# Altium PCB pcbBoard.PcbDoc
Units mm, origin at the board's own origin, x right, y up, seen from the top; angles counter-clockwise.
Board outline 125.06 x 150 mm, 2 copper layers (Top Layer, Bottom Layer); 56 components, 47 nets, 184 pads, 0 vias.
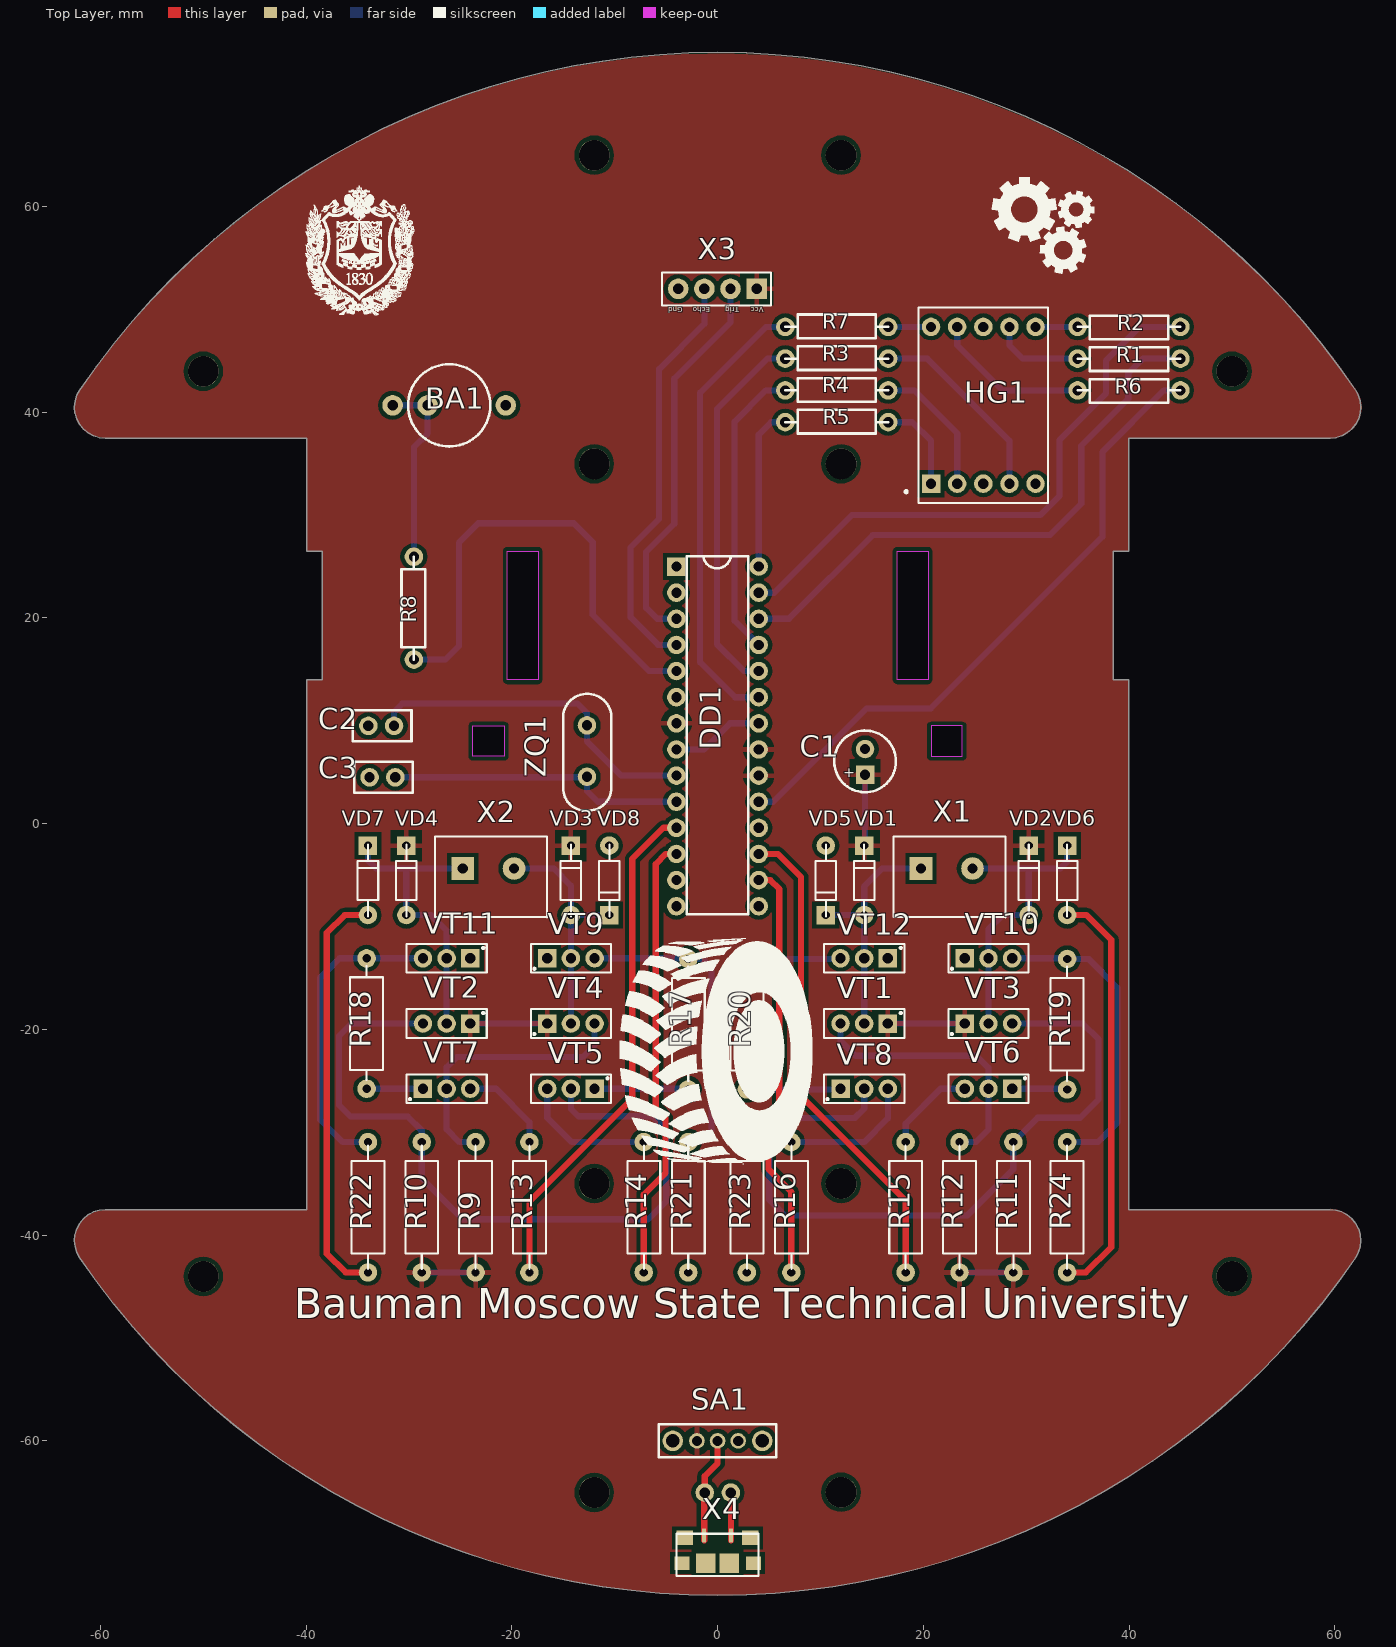
[diagram p0: Top Layer view]
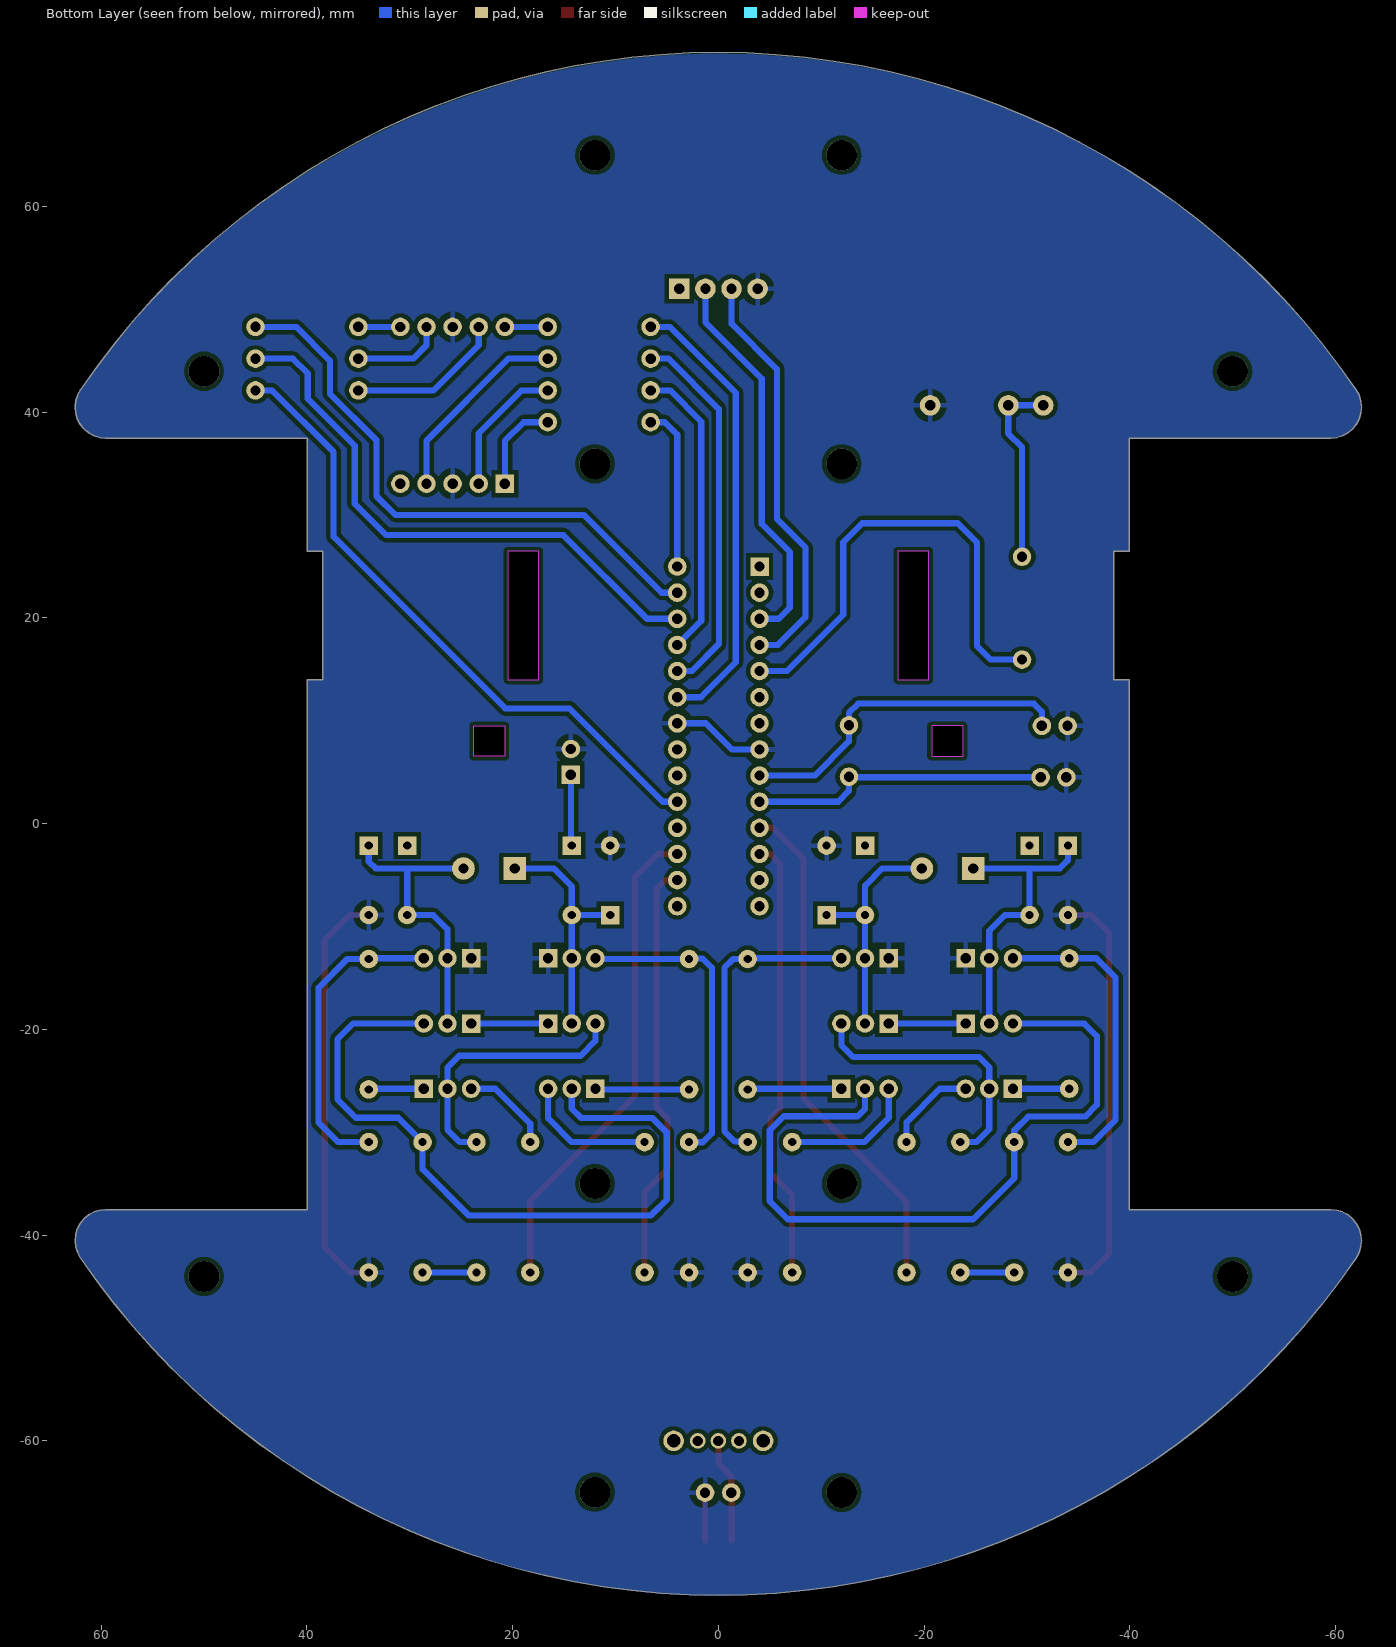
[diagram p1: Bottom Layer view, seen from below]
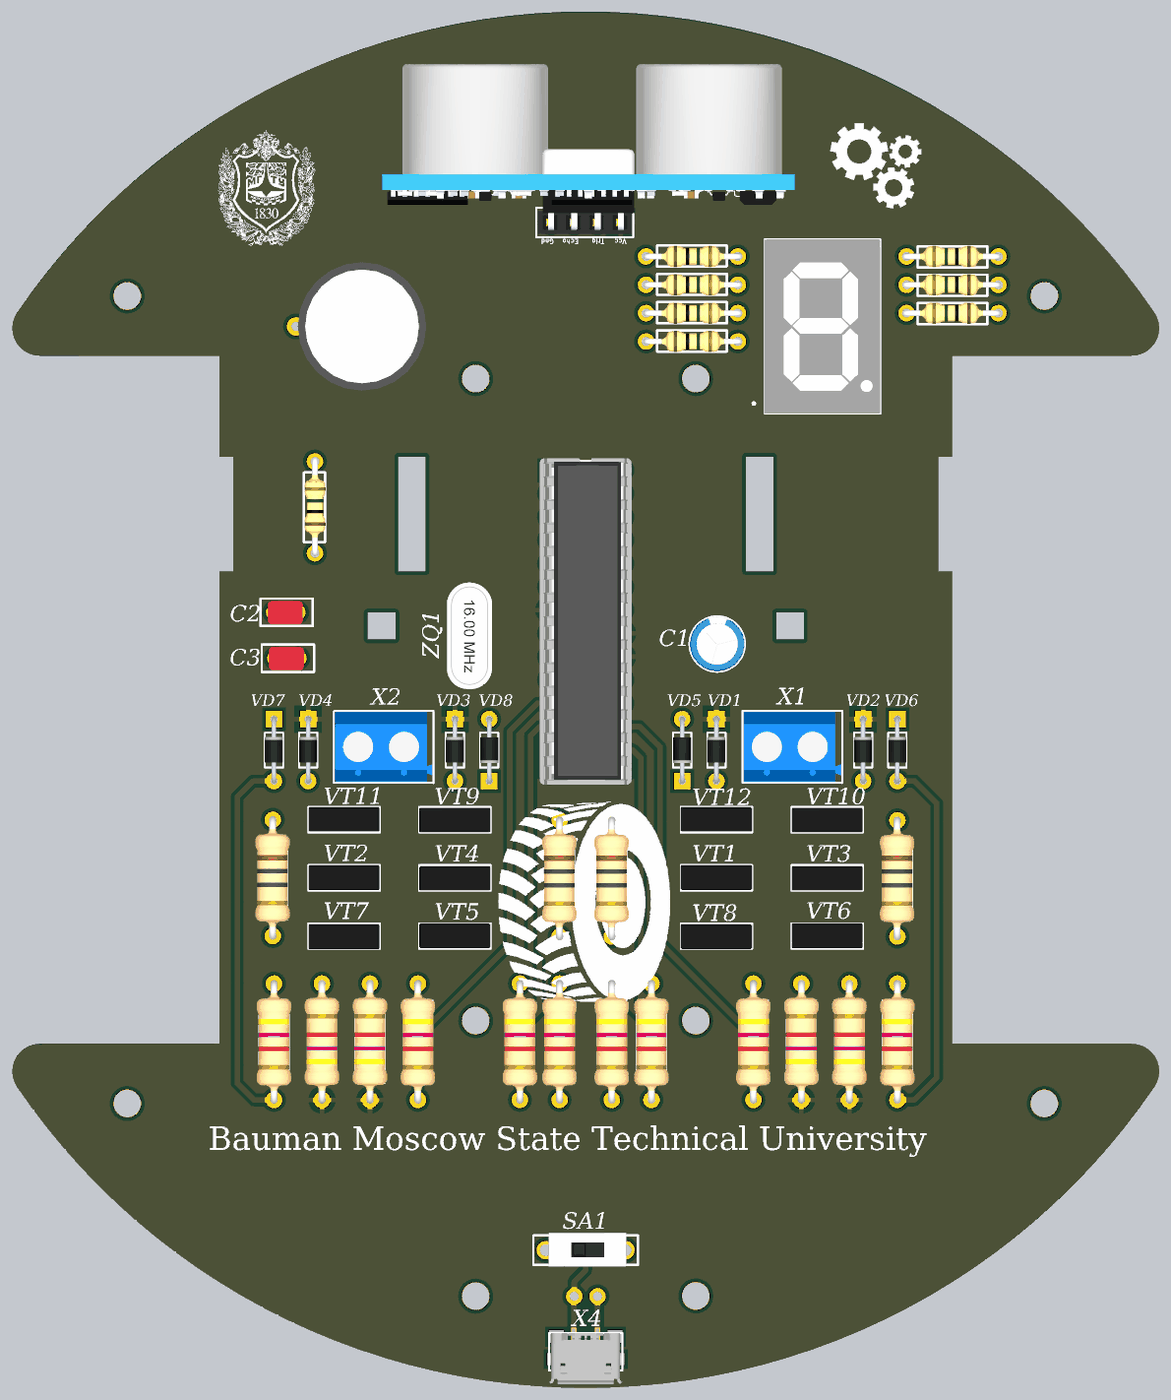
[diagram p2: 3D render of the assembled board from above, using the file's embedded part models]

## Layer stack, top to bottom
Top Solder: solder mask 0.0102, Solder Resist, Dk 3.5
Top Layer: signal copper 0.0356
Dielectric 1: dielectric 0.32, FR-4, Dk 4.8
Bottom Layer: signal copper 0.0356
Bottom Solder: solder mask 0.0102, Solder Resist, Dk 3.5

## Board outline
39.959,13.987 38.459,13.987 38.459,26.487 39.959,26.487 39.959,37.487 59.537,37.487 60.124,37.545 60.689,37.717 61.209,37.996 61.665,38.372 62.038,38.83 62.314,39.352 62.482,39.917 62.537,40.505 62.475,41.092 62.3,41.656 62.017,42.175 60.395,44.466 58.688,46.695 56.898,48.859 55.029,50.954 53.083,52.978 51.062,54.927 48.97,56.799 46.809,58.592 44.583,60.303 42.294,61.929 39.946,63.469 37.542,64.919 35.085,66.278 32.58,67.545 30.028,68.717 27.435,69.792 24.803,70.77 22.136,71.648 19.438,72.426 16.713,73.103 13.965,73.677 11.197,74.148 8.413,74.514 5.618,74.777 2.815,74.934 0.007,74.987 -2.8,74.934 -5.603,74.777 -8.398,74.514 -11.182,74.148 -13.95,73.677 -16.698,73.103 -19.423,72.426 -22.121,71.648 -24.788,70.77 -27.42,69.792 -30.013,68.717 -32.565,67.545 -35.071,66.278 -37.527,64.919 -39.931,63.469 -42.279,61.929 -44.568,60.303 -46.795,58.592 -48.955,56.799 -51.047,54.927 -53.068,52.978 -55.014,50.954 -56.883,48.859 -58.673,46.695 -60.38,44.466 -62.002,42.175 -62.285,41.656 -62.46,41.092 -62.522,40.505 -62.467,39.917 -62.299,39.352 -62.023,38.83 -61.65,38.372 -61.194,37.996 -60.674,37.717 -60.109,37.545 -59.522,37.487 -39.944,37.487 -39.944,26.487 -38.444,26.487 -38.444,13.987 -39.944,13.987 -39.944,-37.513 -59.522,-37.513 -60.109,-37.571 -60.674,-37.743 -61.194,-38.022 -61.65,-38.398 -62.023,-38.856 -62.299,-39.378 -62.467,-39.943 -62.522,-40.531 -62.46,-41.118 -62.285,-41.682 -62.002,-42.2 -60.38,-44.492 -58.673,-46.721 -56.883,-48.885 -55.014,-50.98 -53.068,-53.003 -51.047,-54.953 -48.955,-56.825 -46.795,-58.618 -44.568,-60.329 -42.279,-61.955 -39.931,-63.494 -37.527,-64.945 -35.071,-66.304 -32.565,-67.571 -30.013,-68.743 -27.42,-69.818 -24.788,-70.796 -22.121,-71.674 -19.423,-72.452 -16.698,-73.129 -13.95,-73.703 -11.182,-74.174 -8.398,-74.54 -5.603,-74.803 -2.8,-74.96 0.007,-75.013 2.815,-74.96 5.618,-74.803 8.413,-74.54 11.197,-74.174 13.965,-73.703 16.713,-73.129 19.438,-72.452 22.136,-71.674 24.803,-70.796 27.435,-69.818 30.028,-68.743 32.58,-67.571 35.085,-66.304 37.542,-64.945 39.946,-63.494 42.294,-61.955 44.583,-60.329 46.809,-58.618 48.97,-56.825 51.062,-54.953 53.083,-53.003 55.029,-50.98 56.898,-48.885 58.688,-46.721 60.395,-44.492 62.017,-42.2 62.3,-41.682 62.475,-41.118 62.537,-40.531 62.482,-39.943 62.314,-39.378 62.038,-38.856 61.665,-38.398 61.209,-38.022 60.689,-37.743 60.124,-37.571 59.537,-37.513 39.959,-37.513
cut-out: 17.459,26.487 20.459,26.487 20.459,13.987 17.459,13.987
cut-out: -17.444,26.487 -17.444,13.987 -20.444,13.987 -20.444,26.487
cut-out: -23.783,9.51 -20.733,9.51 -20.733,6.564 -23.787,6.564
cut-out: 23.783,9.51 20.773,9.51 20.773,6.564 23.783,6.564

## Design rules (kind name [scope] priority, off if disabled: settings)
Clearance Clearance_2 [InNamedPolygon('GND')] p1: gap=0.4 ignorepadtopadclearanceinfootprint=FALSE
Clearance Clearance_1 [InNamedPolygon('VCC')] p2: gap=0.4 ignorepadtopadclearanceinfootprint=FALSE
Height [All] p1: minheight=0 maxheight=100 prefheight=12.7
PolygonConnect [All] p1: thpad.connectstyle=Relief thpad.reliefconductorwidth=0.5 thpad.reliefentries=4 thpad.polygonreliefangle="90 Angle" thpad.airgapwidth=0.6 smdpad.connectstyle=Relief smdpad.reliefconductorwidth=0.5 smdpad.reliefentries=4 smdpad.polygonreliefangle="90 Angle" smdpad.airgapwidth=0.4 via.connectstyle=Relief via.reliefconductorwidth=0.254 via.reliefentries=4 via.polygonreliefangle="90 Angle" via.airgapwidth=0.254
RoutingVias [All] p1: holewidth=0.711 width=1.27 viastyle="Through Hole" minholewidth=0.711 minwidth=1.27 maxholewidth=0.711 maxwidth=1.27
SolderMaskExpansion [All] p1: expansion=0.102
Width [All] p1: maxlimit=0.8 minlimit=0.5 preferedwidth=0.6
29 further rules are at their usual default settings.

## Components (designator, comment, footprint, x,y, rotation, side; value= is the part's Value field where it differs from the comment)
BA1 "Buzzer" BUZZER -26.086,40.676 r0 top (schematic designator Brazzer)
C1 "Capacitor 100u" "CAPASITOR 100UF" 14.34,4.763 r90 top value=100uF
C2 "Capacitor 22pF" "CAPASITOR 22PF" -33.949,9.516 r0 top value=100pF
C3 "Capacitor 22pF" "CAPASITOR 22PF" -33.826,4.511 r0 top value=100pF
DD1 "ATMEGA328" ATMEGA328 0,9 r0 top
HG1 "Dpy Red-CC" A 25.836,40.676 r0 top (schematic designator DS1)
R1 "220" "R 220 OM" 45,45.213 r180 top (schematic designator R22)
R2 "220" "R 220 OM" 45,48.301 r180 top (schematic designator R23)
R3 "220" "R 220 OM" 6.588,45.213 r0 top (schematic designator R24)
R4 "220" "R 220 OM" 6.588,42.125 r0 top (schematic designator R25)
R5 "220" "R 220 OM" 6.588,39.037 r0 top (schematic designator R26)
R6 "220" "R 220 OM" 45,42.125 r180 top (schematic designator R21)
R7 "220" "R 220 OM" 6.588,48.301 r0 top (schematic designator R20)
R8 "220" "R 220 OM" -29.52,15.954 r90 top (schematic designator R?)
R9 "4.7k" "RESISTOR 4.7 KOM" -23.523,-37.288 r270 top value=4.7K (schematic designator R2)
R10 "4.7k" "RESISTOR 4.7 KOM" -28.755,-37.288 r270 top value=4.7K (schematic designator R5)
R11 "4.7k" "RESISTOR 4.7 KOM" 28.755,-37.288 r270 top value=4.7K (schematic designator R15)
R12 "4.7k" "RESISTOR 4.7 KOM" 23.523,-37.288 r270 top value=4.7K
R13 "4.7k" "RESISTOR 4.7 KOM" -18.291,-37.288 r90 top value=4.7K (schematic designator R1)
R14 "4.7k" "RESISTOR 4.7 KOM" -7.172,-37.288 r90 top value=4.7K (schematic designator R8)
R15 "4.7k" "RESISTOR 4.7 KOM" 18.291,-37.288 r90 top value=4.7K (schematic designator R11)
R16 "4.7k" "RESISTOR 4.7 KOM" 7.172,-37.288 r90 top value=4.7K (schematic designator R18)
R17 "10" "RESISTOR 10 OM" -2.846,-19.489 r90 top (schematic designator R6)
R18 "10" "RESISTOR 10 OM" -34.114,-19.427 r90 top (schematic designator R3)
R19 "10" "RESISTOR 10 OM" 33.987,-19.489 r90 top (schematic designator R13)
R20 "10" "RESISTOR 10 OM" 2.846,-19.489 r90 top (schematic designator R16)
R21 "4.7k" "RESISTOR 4.7 KOM" -2.846,-37.288 r90 top value=4.7K (schematic designator R7)
R22 "4.7k" "RESISTOR 4.7 KOM" -33.987,-37.288 r90 top value=4.7K (schematic designator R4)
R23 "4.7k" "RESISTOR 4.7 KOM" 2.846,-37.288 r90 top value=4.7K (schematic designator R17)
R24 "4.7k" "RESISTOR 4.7 KOM" 33.987,-37.288 r90 top value=4.7K (schematic designator R14)
SA1 "SW-SPST" SWITCH 0,-60 r0 top (schematic designator S1)
VD1 "KD522A" DIODE 14.255,-5.503 r90 top (schematic designator VD11)
VD2 "KD522A" DIODE 30.255,-5.503 r90 top (schematic designator VD13)
VD3 "KD522A" DIODE -14.255,-5.504 r90 top (schematic designator VD1)
VD4 "KD522A" DIODE -30.255,-5.504 r90 top (schematic designator VD3)
VD5 "KD522A" DIODE 10.523,-5.503 r270 top (schematic designator VD14)
VD6 "KD522A" DIODE 33.987,-5.503 r90 top (schematic designator VD12)
VD7 "KD522A" DIODE -33.987,-5.504 r90 top (schematic designator VD2)
VD8 "KD522A" DIODE -10.523,-5.503 r270 top (schematic designator VD4)
VT1 "KT814A" TRANSISTOR 14.255,-19.424 r180 top (schematic designator VT12)
VT2 "KT814A" TRANSISTOR -26.337,-19.424 r180 top (schematic designator VT4)
VT3 "KT814A" TRANSISTOR 26.337,-19.424 r0 top (schematic designator VT14)
VT4 "KT814A" TRANSISTOR -14.255,-19.424 r0 top (schematic designator VT2)
VT5 "KT815A" TRANSISTOR -14.255,-25.764 r180 top (schematic designator VT6)
VT6 "KT815A" TRANSISTOR 26.337,-25.764 r180 top (schematic designator VT11)
VT7 "KT815A" TRANSISTOR -26.337,-25.764 r0 top (schematic designator VT1)
VT8 "KT815A" TRANSISTOR 14.255,-25.764 r0 top (schematic designator VT16)
VT9 "KT815A" TRANSISTOR -14.255,-13.083 r0 top (schematic designator VT5)
VT10 "KT815A" TRANSISTOR 26.337,-13.084 r0 top (schematic designator VT13)
VT11 "KT815A" TRANSISTOR -26.337,-13.084 r180 top (schematic designator VT3)
VT12 "KT815A" TRANSISTOR 14.255,-13.084 r180 top (schematic designator VT15)
X1 "Motor" MOTOR 22.283,-4.352 r0 top (schematic designator M2)
X2 "Motor" MOTOR -22.283,-4.352 r0 top (schematic designator M1)
X3 "HC-SR04" OUTPUT 0,52 r180 top (schematic designator HC-SR04?)
X4 "Battery" MICROUSB-B 0,-69.202 r90 top (schematic designator BT1)
ZQ1 "HC-49" HC-49 -12.692,9.564 r270 top (schematic designator 1)

## Footprints (in the part's own frame and the unit in brackets; to place one, negate y for a bottom-side part, rotate by r counter-clockwise, add the part's x,y. Pads: shape width x height; smd on the part's side, far side on the other; paste and mask are expansions set on the pad)
A [mm] "LED, 7-Segment Display, 7.62 mm, RHD; 10 Leads; Row Space 5.08 mm; Pitch 2.54 mm"
  rect 1.8x1.8 hole 1: 1(-5.08,-7.62)
  round 1.8 hole 1: 2(-2.54,-7.62) 3(0,-7.62) 4(2.54,-7.62) 5(5.08,-7.62) 6(5.08,7.62) 7(2.54,7.62) 8(0,7.62) 9(-2.54,7.62) 10(-5.08,7.62)
  silkscreen extent -7.62,-9.5 6.3,9.5, body extent -6.3,-9.5 6.3,9.5, height 8
ATMEGA328 [mm]
  rect 1.8x1.8 hole 1: 1(-4,16)
  round 1.8 hole 1: 2(-4,13.46) 3(-4,10.92) 4(-4,8.38) 5(-4,5.84) 6(-4,3.3) 7(-4,0.76) 8(-4,-1.78) 9(-4,-4.32) 10(-4,-6.86) 11(-4,-9.4) 12(-4,-11.94) 13(-4,-14.48) 14(-4,-17.02) 15(4,-17.02) 16(4,-14.48) 17(4,-11.94) 18(4,-9.4) 19(4,-6.86) 20(4,-4.32) 21(4,-1.78) 22(4,0.76) 23(4,3.3) 24(4,5.84) 25(4,8.38) 26(4,10.92) 27(4,13.46) 28(4,16)
  silkscreen extent -3,-17.8 3,17, body extent -5,-18.26 5,17.3, height 7.04
BUZZER [mm]
  round 2 hole 1: 1(-5.5,0) 2(5.5,0)
  silkscreen extent -4,-4 4,4, body extent -5.3,-7 8.7,7, height 9.5
"CAPASITOR 22PF" [mm]
  round 1.8 hole 1: 1(0,0) 2(2.5,0)
  silkscreen extent -1.5,-1.5 4.2,1.5, body extent -0.7,-1.3 3.11,1.24, height 2
"CAPASITOR 100UF" [mm]
  rect 1.8x1.8 hole 1: 1(0,0)
  round 1.8 hole 1: 2(2.5,0)
  silkscreen extent -1.7,-3 4.3,3, body extent -1.7,-3 4.3,3, height 8.8
DIODE [mm] "Diode, Thru-Hole; 2 Leads; 0.4 in Pin Spacing"
  round 1.8 hole 0.8: 1(-3.375,0)
  rect 1.8x1.8 hole 0.8: 2(3.375,0)
  silkscreen extent -3.5,-1 3.5,1, body extent -3.62,-0.99 3.68,1.01, height 1.66
HC-49 [mm]
  round 1.8 hole 1: 1(0,0) 2(5,0)
  silkscreen extent -3.07,-2.3 8.28,2.35, body extent -3.07,-2.3 8.27,2.35, height 3.6
MICROUSB-B [mm]
  rect 1.35x0.4 smd paste+0: 1(0,1.3) 2(0,-1.3)
  rect 1.3x1.45 smd paste+0: 6(-2.675,3.475) 6(-2.675,-3.475)
  rect 1.9x1.9 smd paste+0: 6(-2.675,-1.15)
  rect 1.9x1.9 smd: 6(-2.675,1.15)
  rect 1.4x1.6 smd paste+0: 6(-0.225,3.2) 6(-0.225,-3.2)
  silkscreen extent -3.93,-4 0.18,4, body extent -5.43,-4 0.18,4, height 2.74
MOTOR [mm] "Photosensitive Diode; 2 Leads"
  rect 2.2x2.2 hole 1: 1(-2.5,0)
  round 2.2 hole 1: 2(2.5,0)
  silkscreen extent -5.18,-4.75 5.7,3.13, body extent -5.03,-4.6 5.58,3, height 10
OUTPUT [mm] "Photosensitive Diode; 2 Leads"
  rect 2x2 hole 1: 1(-3.8,0)
  round 2 hole 1: 2(-1.26,0) 3(1.28,0) 4(3.82,0)
  silkscreen extent -5.2,-1.6 5.4,1.6, body extent -22.8,-17.27 22.2,1.25, height 28.5
"R 220 OM" [mm]
  round 1.8 hole 1: 1(0,0) 2(10,0)
  silkscreen extent 0,-1.1 10,1.2, body extent -0.27,-1.16 10.5,1.16, height 2.93
"RESISTOR 4.7 KOM" [mm] "Axial Device, Thru-Hole; 2 Leads; 0.4 in Pin Spacing"
  round 1.8 hole 0.8: 1(-6.338,0) 2(6.338,0)
  silkscreen extent -6,-1.6 6,1.6, body extent -6.75,-1.87 6.7,1.87, height 5.5
"RESISTOR 10 OM" [mm] "Axial Device, Thru-Hole; 2 Leads; 0.4 in Pin Spacing"
  round 1.8 hole 0.8: 1(-6.338,0) 2(6.338,0)
  silkscreen extent -5.5,-1.6 5.59,1.6, body extent -6.72,-1.85 6.73,1.9, height 3.88
SWITCH [mm]
  round 1.524 hole 1: 1(-2,0) 2(0,0) 3(2,0)
  round 2 hole 1.3: 4(-4.35,0) 5(4.35,0)
  silkscreen extent -5.7,-1.6 5.7,1.6, body extent -4.05,-1.8 4.45,1.9, height 6.5
TRANSISTOR [mm] "TO, Thru-Hole, Vertical, Heatsink Mounted; 3 In-Line Leads; Pitch 2.54 mm"
  rect 1.8x1.8 hole 1: 1(-2.3,0)
  round 1.8 hole 1: 2(0,0) 3(2.3,0)
  silkscreen extent -3.9,-1.4 3.9,1.4, body extent -3.9,-1.4 3.9,1.3, height 13.6

## Part data
HG1: "7.62 mm Black Surface HER 7-Segment Display: CC, RH DP", Colour="High Efficiency Red (HER)", ComponentLink1Description="Manufacturer Link", ComponentLink1URL=http://www.agilent.com/, DatasheetVersion=19-Feb-2002, LatestRevisionDate=17-Dec-2003, LatestRevisionNote="Schematic revised, PCB Footprint replaced.", MinimumIntensity="360 ucd", Note="IF = 5 mA", PackageDescription="LED, 7-Segment Display, 7.62 mm, RHD; 10 Leads; Row Space 5.08 mm; Pitch 2.54 mm", PackageReference=A, PackageVersion=11-Feb-2002, Published=8-Jun-2000, Publisher="Altium Limited"
R1 R2 R3 R4 R5 R6 R7 R8: library part "R 200 Om", LatestRevisionDate=17-Jul-2002, LatestRevisionNote="Re-released for DXP Platform.", PackageDescription="Axial Device, Thru-Hole; 2 Leads; 0.4 in Pin Spacing", PackageReference=AXIAL-0.4, Published=8-Jun-2000, Publisher="Altium Limited"
R9 R10 R11 R12 R21 R22 R23 R24: library part "R 4.7kOm", LatestRevisionDate=17-Jul-2002, LatestRevisionNote="Re-released for DXP Platform.", PackageDescription="Axial Device, Thru-Hole; 2 Leads; 0.4 in Pin Spacing", PackageReference=AXIAL-0.4, Published=8-Jun-2000, Publisher="Altium Limited"
R13 R14 R15 R16: library part "Resistor 4.7k", LatestRevisionDate=17-Jul-2002, LatestRevisionNote="Re-released for DXP Platform.", PackageDescription="Axial Device, Thru-Hole; 2 Leads; 0.4 in Pin Spacing", PackageReference=AXIAL-0.4, Published=8-Jun-2000, Publisher="Altium Limited"
R17 R18 R19 R20: library part "Resistor 10", LatestRevisionDate=17-Jul-2002, LatestRevisionNote="Re-released for DXP Platform.", PackageDescription="Axial Device, Thru-Hole; 2 Leads; 0.4 in Pin Spacing", PackageReference=AXIAL-0.4, Published=8-Jun-2000, Publisher="Altium Limited"
VT1 VT2 VT3 VT4: "PNP", ComponentLink1Description="Manufacturer Link", ComponentLink1URL=http://www.fairchildsemi.com/, ComponentLink2Description=Datasheet, ComponentLink2URL=http://www.fairchildsemi.com/ds/2N%2F2N3906.pdf, DatasheetVersion=1997, LatestRevisionDate=15-Jan-2003, LatestRevisionNote="PCB Footprint 'BCY-W3/D4.7' replaced", PackageDescription="TO, Flat Index; 3 In-Line, Axial Leads; Body Dia. 4.5mm; Leads 0.51 x 0.48 mm (max)", PackageReference=TO-92A, PackageVersion=Sep-1998, Published=8-Jun-2000, Publisher="Altium Limited"
VT5 VT6 VT7 VT8 VT9 VT10 VT11 VT12: "NPN", ComponentLink1Description="Manufacturer Link", ComponentLink1URL=http://www.fairchildsemi.com/, ComponentLink2Description=Datasheet, ComponentLink2URL=http://www.fairchildsemi.com/ds/2N%2F2N3904.pdf, DatasheetVersion=1997, LatestRevisionDate=15-Jan-2003, LatestRevisionNote="PCB Footprint 'BCY-W3/D4.7' replaced", PackageDescription="TO, Flat Index; 3 In-Line, Axial Leads; Body Dia. 4.5mm; Leads 0.51 x 0.48 mm (max)", PackageReference=TO-92A, PackageVersion=Sep-1998, Published=8-Jun-2000, Publisher="Altium Limited"
C1: LatestRevisionDate=17-Jul-2002, LatestRevisionNote="Re-released for DXP Platform.", PackageDescription="Polarized Capacitor; 2 Leads", PackageReference=POLAR0.8, Published=8-Jun-2000, Publisher="Altium Limited"
C2 C3: LatestRevisionDate=17-Jul-2002, LatestRevisionNote="Re-released for DXP Platform.", PackageDescription="Radial Cap, Thru-Hole; 2 Leads; 0.3 in Pin Spacing", PackageReference=RAD-0.3, Published=8-Jun-2000, Publisher="Altium Limited"
SA1: LatestRevisionDate=17-Jul-2002, LatestRevisionNote="Re-released for DXP Platform.", PackageDescription="Switch; 2 Leads", PackageReference=SPST-2, Published=24-Mar-1999, Publisher="Altium Limited"
VD1 VD2 VD3 VD4 VD5 VD6 VD7 VD8: Code_JEDEC=DO-204-AL, ComponentLink1Description="Manufacturer Link", ComponentLink1URL=http://www.fairchildsemi.com/, ComponentLink2Description=Datasheet, ComponentLink2URL=http://www.fairchildsemi.com/ds/1N%2F1N4001.pdf, DatasheetVersion=1998, LatestRevisionDate=17-Jul-2002, LatestRevisionNote="Re-released for DXP Platform.", PackageDescription="Diode, Axial; Body 5.2 x 2.7 mm (LxDia. max), Lead Dia. 0.86 mm (max)", PackageReference=DO-41, PackageVersion=Aug-1999, Published=8-Jun-2000, Publisher="Altium Limited"
X1 X2: LatestRevisionDate=17-Jul-2002, LatestRevisionNote="Re-released for DXP Platform.", PackageDescription="Radial Cap, Thru-Hole; 2 Leads; 0.4 in Pin Spacing", PackageReference=RAD-0.4, Published=24-Mar-1999, Publisher="Altium Limited"
X4: LatestRevisionDate=17-Jul-2002, LatestRevisionNote="Re-released for DXP Platform.", PackageDescription="Battery; 2 Leads", PackageReference=BAT-2, Published=24-Mar-1999, Publisher="Altium Limited"

## Free pads (board coordinates)
  round 3 hole 3: 1(-49.993,-44.013) 1(-49.993,43.987) 1(-11.993,-34.987) 1(-11.993,-65.013) 1(-11.993,34.987) 1(-11.993,64.987) 1(12.007,-64.987) 1(12.007,-34.987) 1(12.007,34.987) 1(12.007,64.987) 1(50.008,-44.013) 1(50.008,43.987)
  round 1.8 hole 1: 8(1.291,-65.029) 9(-1.249,-65.029)
  round 2 hole 1: 10(-28.186,40.676)

## Nets (pads, with @x,y where several pads share a name; then routed paths per layer and width w, separated by ;. In a path a pad name is that pad's centre, name@x,y a point inside that pad or via, vN(x,y) a via of type N, cw(c..) or ccw(c..) an arc to the next point about the centre after c; other vN are vias at no path point)
a: DD1.26 R1.1 | length 56.2
  Bottom Layer w0.6: DD1.26 6.94,19.92 15.08,28.06 32.3,28.06 35.353,31.113 35.353,36.74 39.926,41.314 39.926,43.783 41.355,45.213 R1.1
b: DD1.27 R2.1 | length 56.8
  Bottom Layer w0.6: DD1.27 5.516,22.46 13.082,30.026 31.404,30.026 33.236,31.857 33.236,37.289 37.763,41.816 37.763,45.023 41.041,48.301 R2.1
c: DD1.24 R3.1 | length 36.7
  Bottom Layer w0.6: DD1.24 2.576,14.84 -0.056,17.472 -0.056,40.31 4.848,45.213 R3.1
d: DD1.25 R4.1 | length 28.9
  Bottom Layer w0.6: DD1.25 1.658,19.722 1.658,39.084 4.7,42.125 R4.1
e: DD1.28 R5.1 | length 15.9
  Bottom Layer w0.6: DD1.28 4,37.828 5.209,39.037 R5.1
echo: DD1.4 X3.3 | length 40.5
  Bottom Layer w0.6: DD1.4 -5.778,17.38 -8.455,20.057 -8.455,26.864 -5.689,29.63 -5.689,44.198 -1.28,48.607 X3.3
f: DD1.19 R6.1 | length 62.4
  Bottom Layer w0.6: DD1.19 5.408,2.14 14.482,11.213 20.729,11.213 37.408,27.892 37.408,36.137 43.396,42.125 R6.1
g: DD1.23 R7.1 | length 44.2
  Bottom Layer w0.6: DD1.23 1.704,12.3 -1.693,15.697 -1.693,41.891 4.717,48.301 R7.1
GND: BA1.2 C1.2 C2.1 C3.1 DD1.8 DD1.22 HG1.3 HG1.8 pad.8 R21.1 R22.1 R23.1 R24.1 VD5.1 VD6.1 VD7.1 VD8.1 VT9.1 VT10.1 VT11.1 VT12.1 X3.4 X4.2 | length 95.1
  Top Layer w0.6: R22.1 -36.164,-43.626 -37.987,-41.802 -37.987,-10.607 -36.259,-8.879 VD7.1 ; pad.8 1.3,-65.449 X4.2 X4.2@1.3,-69.69 ; DD1.22 DD1.22@4.084,9.676 ; R24.1 35.817,-43.626 38.275,-41.167 38.275,-11.28 35.873,-8.878 VD6.1
  Bottom Layer w0.6: DD1.8 -1.315,7.22 1.225,9.76 DD1.22 DD1.22@4.084,9.676
NetBrazzer_1: BA1.1 pad.10 R8.2 | length 18.7
  Bottom Layer w0.6: BA1.1 pad.10 -28.186,37.93 -29.52,36.596 R8.2
NetBT1_1: pad.9 SA1.2 X4.1 | length 10.2
  Top Layer w0.6: X4.1@-1.3,-69.655 X4.1 -1.3,-65.08 pad.9 -1.249,-63.416 0,-62.167 SA1.2
NetDD1_5: DD1.5 R8.1 | length 47
  Bottom Layer w0.6: R8.1 -26.477,15.954 -25.132,17.299 -25.132,27.352 -23.271,29.213 -13.98,29.213 -12.138,27.371 -12.138,20.323 -6.655,14.84 DD1.5
NetDS1_1: HG1.1 R5.2 | length 9.1
  Bottom Layer w0.6: R5.2 18.931,39.037 20.756,37.213 HG1.1
NetDS1_2: HG1.2 R4.2 | length 13.3
  Bottom Layer w0.6: R4.2 19.118,42.125 23.296,37.947 HG1.2
NetDS1_4: HG1.4 R3.2 | length 19.3
  Bottom Layer w0.6: R3.2 20.405,45.213 28.376,37.242 HG1.4
NetDS1_6: HG1.6 R2.2 | length 4.1
  Top Layer w0.6: HG1.6 HG1.6@30.92,48.301
  Bottom Layer w0.6: HG1.6 34.995,48.296 R2.2
NetDS1_7: HG1.7 R1.2 | length 8.9
  Bottom Layer w0.6: HG1.7 28.376,46.507 29.67,45.213 R1.2
NetDS1_9: HG1.9 R6.2 | length 15.3
  Bottom Layer w0.6: HG1.9 23.296,46.519 27.69,42.125 R6.2
NetDS1_10: HG1.10 R7.2 | length 4.2
  Bottom Layer w0.6: R7.2 20.751,48.301 HG1.10
NetM1_1: VD4.1 VD7.2 VT2.2 VT11.2 X2.1 | length 29.1
  Bottom Layer w0.6: VD7.2 -33.987,-3.558 -33.193,-4.352 -30.187,-4.352 ; VT2.2 VT11.2 -26.337,-10.402 -27.86,-8.879 VD4.1 -30.255,-4.42 -30.187,-4.352 ; X2.1 -30.187,-4.352
NetM1_2: VD3.1 VD8.2 VT4.2 VT9.2 X2.2 | length 23.3
  Bottom Layer w0.6: X2.2 -15.932,-4.352 -14.255,-6.029 VD3.1 ; VT4.2 VT9.2 VD3.1 ; VD8.2 VD3.1
NetM2_1: VD1.1 VD5.2 VT1.2 VT12.2 X1.1 | length 23.3
  Bottom Layer w0.6: VD5.2 VD1.1 ; VT1.2 VT12.2 VD1.1 ; X1.1 15.991,-4.352 14.255,-6.088 VD1.1
NetM2_2: VD2.1 VD6.2 VT3.2 VT10.2 X1.2 | length 29.3
  Bottom Layer w0.6: X1.2 30.367,-4.352 ; VT3.2 VT10.2 26.337,-10.263 27.722,-8.878 VD2.1 30.255,-4.464 30.367,-4.352 ; VD6.2 33.987,-3.697 33.332,-4.352 30.367,-4.352
NetR1_2: R13.2 VT7.3 | length 9
  Bottom Layer w0.6: VT7.3 -21.526,-25.764 -18.291,-28.999 R13.2
NetR2_1: R9.1 VT4.3 VT7.2 | length 26.7
  Bottom Layer w0.6: R9.1 -25.089,-30.951 -26.337,-29.702 VT7.2 -26.337,-23.672 -25.351,-22.685 -13.127,-22.685 -11.955,-21.514 VT4.3
NetR3_1: R18.1 VT7.1 | length 5.5
  Bottom Layer w0.6: R18.1 VT7.1
NetR3_2: R18.2 R22.2 VT11.3 | length 30.1
  Bottom Layer w0.6: R18.2@-34.114,-13.084 VT11.3 ; R18.2@-34.114,-13.083 -36.74,-13.083 -38.62,-14.963 -38.62,-28.772 -36.441,-30.951 R22.2
NetR5_1: R10.1 VT2.3 VT5.2 | length 74.2
  Bottom Layer w0.6: VT2.3 -35.59,-19.424 -36.807,-20.642 -36.807,-27.33 -35.671,-28.466 -30.113,-28.466 -28.755,-29.824 R10.1 -28.755,-34.454 -24.756,-38.453 -6.751,-38.453 -4.992,-36.694 -4.992,-29.8 -6.357,-28.435 -13.531,-28.435 -14.255,-27.711 VT5.2
NetR6_1: R17.1 VT5.1 | length 9.1
  Bottom Layer w0.6: VT5.1 -2.909,-25.764 R17.1
NetR6_2: R17.2 R21.2 VT9.3 | length 29.9
  Bottom Layer w0.6: VT9.3 -2.915,-13.083 R17.2 ; R21.2@-2.646,-30.905 -1.613,-30.905 -0.59,-29.881 -0.59,-14.014 -1.452,-13.152 R17.2@-2.646,-13.152
NetR8_2: R14.2 VT5.3 | length 13.2
  Bottom Layer w0.6: VT5.3 -16.555,-28.591 -14.195,-30.951 R14.2
NetR11_2: R15.2 VT6.3 | length 9
  Bottom Layer w0.6: R15.2 18.291,-29.148 21.675,-25.764 VT6.3
NetR12_1: R12.1 VT1.3 VT6.2 | length 26.5
  Bottom Layer w0.6: VT1.3@11.956,-19.417 11.953,-19.421 11.953,-21.118 13.4,-22.565 25.172,-22.565 26.337,-23.73 VT6.2 26.337,-29.737 25.123,-30.95 R12.1
NetR13_1: R19.1 VT6.1 | length 5.4
  Bottom Layer w0.6: VT6.1 33.924,-25.764 R19.1
NetR13_2: R19.2 R24.2 VT10.3 | length 30.2
  Bottom Layer w0.6: VT10.3 33.92,-13.084 R19.2 36.081,-13.152 38.872,-15.943 38.872,-29.051 36.973,-30.95 R24.2
NetR15_1: R11.1 VT3.3 VT8.2 | length 72.4
  Bottom Layer w0.6: VT8.2 14.255,-27.686 13.332,-28.609 6.436,-28.609 5.027,-30.018 5.027,-36.561 6.553,-38.087 24.277,-38.087 28.755,-33.609 R11.1 31.12,-28.586 35.26,-28.586 37.02,-26.826 37.02,-20.921 35.522,-19.424 VT3.3
NetR16_1: R20.1 VT8.1 | length 9.1
  Bottom Layer w0.6: R20.1 11.892,-25.827 VT8.1
NetR16_2: R20.2 R23.2 VT12.3 | length 31
  Bottom Layer w0.6: R20.2 11.887,-13.152 VT12.3 ; R23.2@3.159,-30.972 1.516,-30.972 0.629,-30.086 0.629,-14.009 1.549,-13.088 R20.2@3.185,-13.088
NetR18_2: R16.2 VT8.3 | length 13.2
  Bottom Layer w0.6: R16.2 14.261,-30.95 16.555,-28.656 VT8.3
OUTPUT1: DD1.11 R13.1 | length 49.9
  Top Layer w0.6: R13.1 -18.291,-36.733 -8.285,-26.727 -8.285,-3.423 -5.262,-0.4 DD1.11
OUTPUT2: DD1.12 R14.1 | length 43.4
  Top Layer w0.6: R14.1 -7.172,-36.054 -5.053,-33.935 -5.053,-28.626 -6.005,-27.674 -6.005,-3.917 -5.028,-2.94 DD1.12
OUTPUT3: DD1.17 R15.1 | length 47.7
  Top Layer w0.6: DD1.17 5.852,-2.94 8.118,-5.206 8.118,-26.484 18.291,-36.657 R15.1
OUTPUT4: DD1.16 R16.1 | length 41
  Top Layer w0.6: DD1.16 5.145,-5.48 6.004,-6.339 6.004,-27.57 4.957,-28.618 4.957,-33.581 7.172,-35.796 R16.1
trig: DD1.3 X3.2 | length 37.8
  Bottom Layer w0.6: DD1.3 -5.868,19.92 -6.945,20.997 -6.945,26.417 -4.216,29.146 -4.216,43.269 1.26,48.745 X3.2
VCC: C1.1 DD1.7 DD1.20 DD1.21 R9.2 R10.2 R11.2 R12.2 SA1.1 VD1.2 VD2.2 VD3.2 VD4.2 VT1.1 VT2.1 VT3.1 VT4.1 X3.1 | length 32.4
  Bottom Layer w0.6: R10.2 R9.2 ; VT2.1 VT4.1 ; VD1.2 14.34,-2.043 C1.1 ; VT1.1 VT3.1@24.036,-19.424 ; R12.2 R11.2
XTAL1: C2.2 DD1.9 ZQ1.1 | length 33.7
  Bottom Layer w0.6: C2.2 -31.449,10.894 -30.658,11.685 -13.6,11.685 -12.692,10.778 ZQ1.1 -12.692,8.009 -9.364,4.68 DD1.9
XTAL2: C3.2 DD1.10 ZQ1.2 | length 29.2
  Bottom Layer w0.6: C3.2 -12.745,4.511 ZQ1.2 -12.692,3.184 -11.648,2.14 DD1.10
pads on no net: DD1.1 DD1.2 DD1.6 DD1.13 DD1.14 DD1.15 DD1.18 HG1.5 SA1.3 SA1.4 SA1.5 X4.6

## Polygon pours and split planes (outlines as drawn)
VCC on Top Layer "VCC" (solid, remove dead copper, pour order 0): -40.091,63.338 -39.147,63.979 cw(c-0.097,-0.59) 62.064,42.19 cw(c59.6,40.485) 59.596,37.489 39.959,37.487 39.959,26.487 38.47,26.477 38.459,13.987 39.959,13.987 39.959,-37.513 59.596,-37.454 cw(c59.464,-40.522) 62.314,-39.378 cw(c59.386,-40.554) 62.218,-41.944 cw(c45.968,-30.78) 61.444,-42.994 cw(c44.154,-32.075) 60.689,-44.107 cw(c-1.034,1.143) 39.946,-63.494 cw(c0.013,-0.095) -39.622,-63.681 cw(c-6.399,-9.379) -40.043,-63.421 cw(c-1.688,-1.826) -62.005,-42.161 cw(c-59.552,-40.52) -59.56,-37.569 -39.944,-37.513 -39.944,13.987 -38.444,13.987 -38.444,26.487 -39.944,26.487 -39.931,37.474 -55.284,37.489 -59.667,37.545 cw(c-59.657,40.402) -62.514,40.401 cw(c-58.574,40.322) -62.361,41.41 cw(c-58.018,39.825) -62.117,41.965 cw(c-49.485,34.267) -61.012,43.538 cw(c3.668,-3.07) -49.977,55.904 -45.181,59.788 -42.669,61.612
GND on Bottom Layer "GND" (solid, remove dead copper, pour order 4): -40.104,63.322 -39.16,63.963 cw(c-0.11,-0.607) 62.051,42.174 cw(c59.587,40.468) 59.583,37.472 39.946,37.47 39.946,26.47 38.456,26.46 38.446,13.97 39.946,13.97 39.946,-37.53 59.583,-37.471 cw(c59.451,-40.538) 62.3,-39.394 cw(c59.373,-40.57) 62.205,-41.961 cw(c45.955,-30.797) 61.431,-43.011 cw(c44.141,-32.091) 60.676,-44.124 cw(c-1.048,1.126) 39.933,-63.511 cw(c0,-0.111) -39.635,-63.698 cw(c-6.412,-9.396) -40.056,-63.438 cw(c-1.701,-1.843) -62.018,-42.177 cw(c-59.565,-40.537) -59.573,-37.585 -39.958,-37.53 -39.958,13.97 -38.458,13.97 -38.458,26.47 -39.958,26.47 -39.944,37.457 -55.297,37.472 -59.68,37.528 cw(c-59.67,40.386) -62.527,40.384 cw(c-58.587,40.305) -62.375,41.393 cw(c-58.032,39.809) -62.13,41.948 cw(c-49.499,34.25) -61.025,43.521 cw(c3.655,-3.086) -49.991,55.887 -45.195,59.771 -42.682,61.595

## Silkscreen, mask and mechanical layers (free items; w line width, h text height)
Top Overlay:
  drawing of 13985 lines, arcs and shapes, not listed
  text "Bauman Moscow State Technical University" at -41.148,-49.073 h5
Mechanical 1:
  drawing of 178 lines, arcs and shapes, not listed

## Text inside footprints (layer, text, board x,y; h text height)
C1: Top Overlay "+" at 13.24,4.363 h1 r90
X3: Top Overlay "Gnd" at -3.4,50.2 h0.5 r180; Top Overlay "Echo" at -0.7,50.2 h0.5 r180; Top Overlay "Trig" at 2.1,50.2 h0.5 r180; Top Overlay "Vcc" at 4.5,50.2 h0.5 r180